# KiCad board keyboard.kicad_pcb (continued)
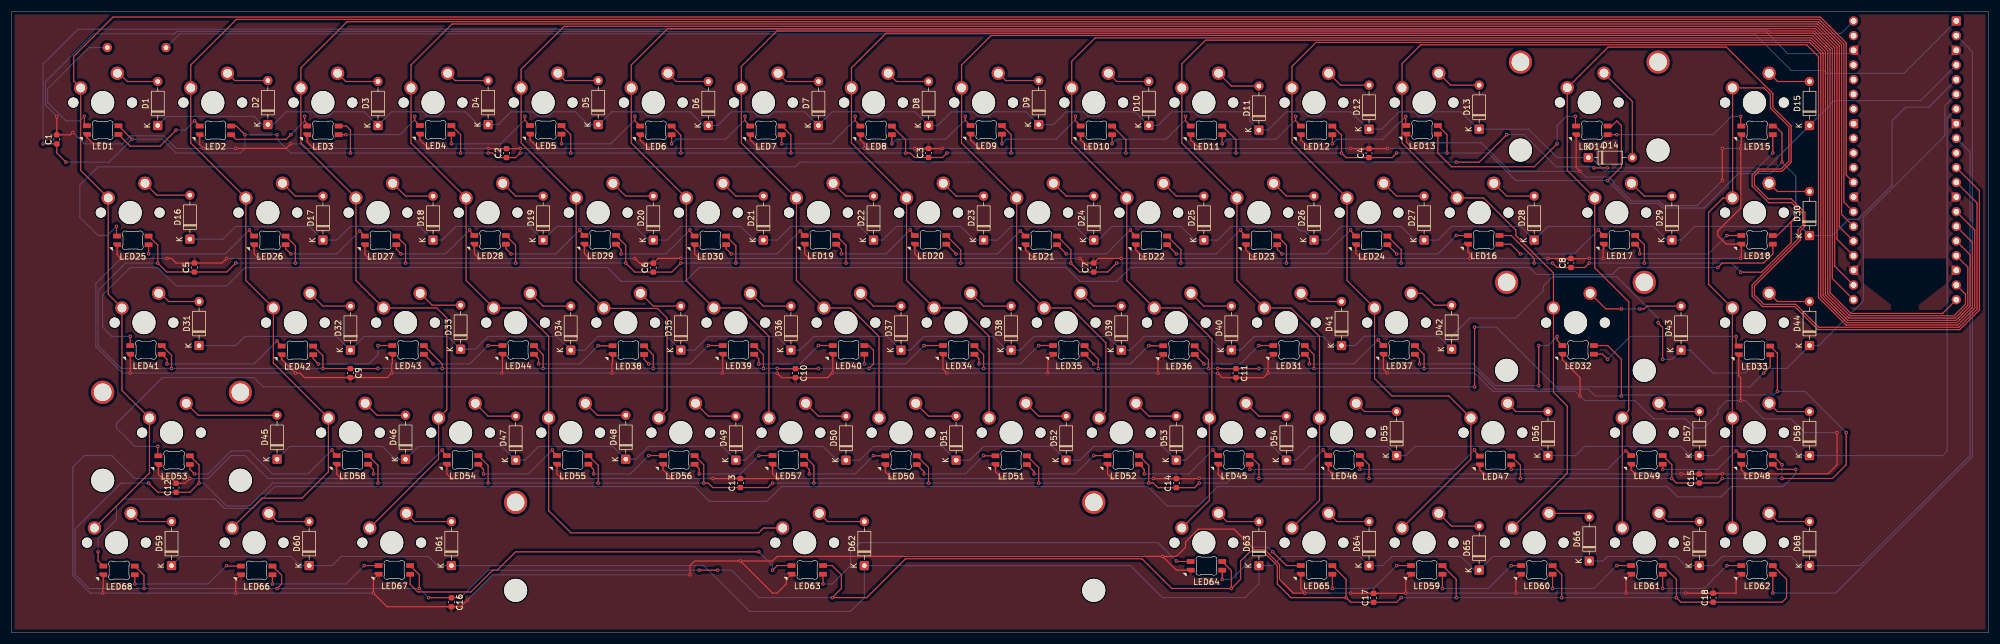
[diagram p0: board, top side]
## Routing (per net, layer and track width the routed paths; a pad name or vN(x,y) marks a point on that pad's centre or on a via; arc(x,y) is an arc through that point) (continued)
  Bottom w0.2: v1(266.57,63.96) v1(263.4,63.96) v1(240.38,63.96) v1(220.54,63.96) v1(202.28,63.96) v1(191.17,63.96) ; v1(119.74,25.86) v1(101.48,25.86) v1(82.44,25.86) v1(63.39,25.86) 45.13,25.86 41.16,21.89 37.19,21.89 33.23,25.86 v1(32.43,25.86) ; v1(196.73,25.86) v1(177.68,25.86) v1(158.63,25.86) v1(138.79,25.86) v1(131.64,25.86) ; v1(139.58,45.71) v1(148.31,45.71) v1(168.15,45.71) v1(188,45.71) v1(207.05,45.71) v1(208.63,45.71) ; v1(239.59,83.01) v1(248.32,83.01) 255.46,83.01 260.22,78.25 v1(276.1,78.25) 280.07,74.28 284.83,74.28 285.62,73.48 292.77,73.48 298.72,79.43 304.27,79.43 v1(306.26,81.42) 308.64,79.04 v1(308.64,71.9) ; 118.15,63.96 118.94,63.96 ; 118.15,63.96 v1(125.29,63.96) v1(144.34,63.96) v1(164.19,63.96) v1(183.23,63.96) ; 118.15,63.96 v1(115.77,63.96) ; v1(230.06,83.01) v1(211.81,83.01) v1(192.76,83.01) v1(172.92,83.01) v1(161.81,83.01) ; A1.40 316.48,103.71 304.45,103.71 303.72,104.45 11.48,104.45 5.45,98.41 v1(5.45,84.6) ; v1(25.29,63.96) 19.73,63.96 14.97,59.2 14.97,49.67 18.94,45.71 v1(27.67,45.71) v1(53.86,45.71) ; v1(77.67,6.02) 82.44,10.78 v1(118.95,10.78) ; v1(215.78,45.71) v1(225.3,45.71) v1(244.35,45.71) 253.08,45.71 256.65,42.14 272.75,42.14 273.94,40.94 v1(278.48,40.94) 278.66,41.12 304.85,41.12 v1(305.46,41.74) 310.23,41.74 v1(317.37,34.59) ; v1(306.26,29.04) v1(306.26,26.66) v1(295.94,26.66) ; v1(63.39,45.71) v1(74.5,45.71) v1(91.96,45.71) v1(111.01,45.71) v1(130.06,45.71) v1(132.44,45.71) ; v1(82.44,83.01) v1(77.67,83.01) v1(58.62,83.01) 48.31,83.01 45.92,85.39 v1(45.92,86.18) v1(40.37,86.18) 40.37,83.8 39.58,83.01 28.46,83.01 26.08,85.39 v1(20.83,85.39) 16.86,81.42 v1(9.41,81.42) ; v1(38.78,63.96) v1(49.1,63.96) v1(68.15,63.96) v1(87.2,63.96) v1(106.25,63.96) ; v1(272.92,63.96) v1(282.45,63.96) 297.53,63.96 v1(299.12,62.37) ; v1(23.7,25.86) 18.94,25.86 11,17.93 11,9.99 13.38,7.61 v1(22.91,7.61) v1(45.92,7.61) v1(70.53,7.61) v1(72.12,6.02) ; v1(122.12,10.78) 124.5,10.78 129.26,6.02 v1(141.96,6.02) ; v1(288,6.02) v1(268.16,6.02) v1(249.91,6.02) v1(240.38,6.02) ; v1(205.46,25.86) 210.22,25.86 211.01,26.66 v1(215.78,26.66) v1(234.83,26.66) v1(261.02,26.66) v1(287.21,26.66) ; v1(87.99,83.01) v1(96.72,83.01) v1(115.77,83.01) v1(134.82,83.01) v1(154.66,83.01)
/GND: length 2142.4
  Top w0.2: v1(205.46,26.66) 205.41,26.62 C14.2 197.56,26.62 v1(197.52,26.66) ; v1(91.17,83.8) 89.68,85.28 LED5.4 ; v1(299.12,64.75) 299.22,64.86 LED18.4 ; v1(238,44.91) 237.31,45.6 LED37.4 ; v1(289.59,6.81) 290.38,6.81 290.4,6.8 C18.2 298.3,6.8 298.32,6.81 298.32,9.18 LED62.4 ; LED38.4 103.97,46.6 103.86,46.5 v1(103.86,44.91) ; LED45.4 208.74,27.56 208.63,27.45 v1(209.43,26.66) ; LED13.4 241.28,84.86 242.34,83.8 v1(242.76,83.8) ; LED57.4 131.64,27.45 v1(132.44,26.66) 132.42,26.64 C13.2 121.34,26.64 v1(121.33,26.66) ; v1(107.83,64.75) 108.65,63.94 C6.2 111.83,64.76 v1(115.77,64.76) ; LED23.4 213.5,66.24 v1(214.98,64.75) ; v1(18.94,64.75) 18.25,65.44 LED25.4 ; v1(224.51,83.8) 223.03,85.28 LED12.4 ; LED10.4 184.93,85.28 v1(186.41,83.8) ; v1(191.97,64.75) 188,64.75 C7.2 185.62,63.96 v1(184.82,64.75) ; LED61.4 279.27,9.18 v1(279.27,6.81) ; v1(299.12,40.15) 299.12,44.12 298.77,44.46 LED33.4 ; LED44.4 84.92,45.02 v1(84.82,44.91) ; LED26.4 41.96,65.55 v1(42.75,64.75) ; LED30.4 118.15,65.55 v1(118.95,64.75) ; LED52.4 189.58,27.45 v1(190.38,26.66) ; v1(78.86,5.62) 77.69,4.45 C16.2 64.95,4.45 v1(62.59,6.81) 62.59,9.18 LED67.4 ; LED19.4 137.2,65.55 v1(137.99,64.75) ; LED22.4 194.45,66.24 v1(195.93,64.75) ; v1(15.76,6.81) 15.76,7.61 15.87,7.71 LED68.4 ; v1(7.8,89.33) 7.83,89.31 C1.2 10.17,86.15 v1(10.61,86.58) ; v1(199.11,13.16) 132.44,13.16 131.64,12.37 v1(126.09,12.37) ; v1(199.11,13.16) 201.49,13.16 203.08,14.75 203.08,15.68 205.28,17.89 211.45,17.89 214.98,14.36 216.74,14.36 219.35,11.74 219.35,9.19 221.73,6.81 v1(223.71,6.81) 223.03,7.5 LED65.4 ; v1(199.11,13.16) 201.49,10.78 LED64.4 ; v1(156.25,83.8) 157.04,83.8 157.06,83.78 C3.2 160.99,83.78 v1(161.01,83.8) ; v1(126.09,12.37) 131.64,6.81 132.44,6.81 134.03,8.4 134.03,9.18 LED63.4 ; v1(126.09,12.37) 118.15,12.37 117.36,11.58 v1(117.36,9.99) ; v1(14.97,84.6) 14.14,84.6 13.04,85.7 LED1.4 ; v1(57.04,26.66) 56.24,27.45 LED58.4 ; 147.52,84.6 146.83,85.28 LED8.4 ; 147.52,84.6 v1(147.52,83.8) ; 147.52,84.6 147.61,84.69 ; LED60.4 260.22,9.18 v1(260.22,6.81) ; v1(72.12,83.8) 70.64,85.28 LED4.4 ; v1(152.28,26.66) 151.14,27.79 LED50.4 ; v1(198.32,44.91) 198.32,47.23 LED36.4 ; LED14.4 270.65,80.52 v1(271.34,79.83) ; v1(48.31,84.6) 47.51,83.8 v1(38.78,83.8) ; v1(37.19,64.75) 36.4,63.96 C5.2 28.46,63.96 27.67,64.75 v1(26.88,64.75) ; v1(265.78,64.75) 265.8,64.74 C8.2 272.9,64.74 v1(272.92,64.76) ; v1(234.03,64.75) 233.45,64.75 232.55,65.65 LED24.4 ; v1(275.3,64.75) 275.3,66.34 275.41,66.45 LED17.4 ; v1(171.33,26.66) 170.19,27.79 LED51.4 ; v1(38.78,6.81) 38.78,9.09 LED66.4 ; v1(295.94,27.46) 295.92,27.43 C15.2 288.82,27.43 v1(288.8,27.45) ; LED6.4 108.73,85.28 v1(110.21,83.8) ; v1(132.44,44.91) 133.23,44.12 C10.2 141.17,44.12 v1(141.96,44.91) 142.07,45.02 LED40.4 ; LED11.4 203.98,85.28 v1(205.46,83.8) ; v1(315.78,34.59) 315.78,29.04 314.2,27.45 v1(299.91,27.45) 299.22,28.14 LED48.4 ; v1(33.23,83.8) 32.54,84.49 LED2.4 ; v1(61.8,64.75) 61.11,65.44 LED27.4 ; LED59.4 241.18,9.18 v1(241.18,6.81) 241.14,6.78 C17.2 231.69,6.78 v1(231.65,6.81) ; v1(122.91,44.91) 123.02,45.02 LED39.4 ; LED9.4 165.88,85.28 v1(167.36,83.8) ; LED3.4 51.14,84.94 52.27,83.8 v1(53.07,83.8) ; LED54.4 75.29,27.45 v1(76.09,26.66) ; v1(87.99,83.81) 87.95,83.77 85.61,83.77 82.48,83.77 v1(82.44,83.81) ; v1(254.67,27.45) 253.98,28.14 LED47.4 ; LED7.4 127.78,85.28 v1(129.26,83.8) ; v1(80.85,64.75) 80.05,65.55 LED28.4 ; v1(157.04,64.75) 156.25,65.55 LED20.4 ; LED21.4 175.4,66.24 v1(176.89,64.75) ; v1(30.84,26.66) 30.01,25.83 C12.2 27.63,26.66 v1(26.08,26.66) 25.39,27.34 LED53.4 ; LED31.4 217.36,47.27 v1(217.36,44.91) 216.57,44.12 C11.2 209.42,44.12 v1(208.63,44.91) ; v1(99.9,64.75) 99.1,65.55 LED29.4 ; LED16.4 251.94,65.89 252.29,65.55 v1(252.29,64.75) ; v1(114.18,26.66) 112.7,28.14 LED56.4 ; v1(271.34,40.94) 271.34,44.12 268.27,47.19 LED32.4 ; v1(20.53,44.91) LED41.4 ; v1(238,83.8) 237.96,83.77 C4.2 231.69,83.77 v1(231.65,83.8) ; v1(179.27,44.91) 179.27,47.27 LED35.4 ; LED55.4 94.34,27.45 v1(95.13,26.66) ; LED49.4 280.17,28.14 v1(280.86,27.45) ; LED34.4 161.12,45.6 v1(161.81,44.91) ; 299.13,67.14 LED18.4 ; LED18.4 296.65,67.22 295.15,68.72 295.15,69.52 299.15,73.52 299.15,83.05 299.12,83.08 v1(299.12,83.8) 299.12,84.38 299.22,84.49 LED15.4 ; LED46.4 227.79,28.13 v1(228.48,27.44) ; LED42.4 46.72,47.29 v1(49.1,44.91) 49.89,44.91 50.67,44.14 C9.2 64.99,44.14 v1(65.77,44.91) 65.77,46.5 65.87,46.6 LED43.4 ; v1(295.94,78.25) v1(295.94,83.8)
  Bottom w0.2: v1(184.82,64.75) v1(176.89,64.75) v1(157.04,64.75) v1(137.99,64.75) v1(118.95,64.75) 115.77,64.75 v1(115.77,64.76) ; v1(26.08,26.66) 21.32,26.66 17.35,30.62 12.59,30.62 10.6,28.64 10.6,9.82 13.61,6.81 v1(15.76,6.81) v1(38.78,6.81) v1(62.59,6.81) ; v1(241.18,6.81) v1(260.22,6.81) v1(279.27,6.81) v1(289.59,6.81) ; v1(299.91,27.45) 295.94,27.45 v1(295.94,27.46) ; v1(265.78,64.75) v1(252.29,64.75) v1(234.03,64.75) v1(214.98,64.75) v1(195.93,64.75) v1(191.97,64.75) ; v1(7.8,89.33) 7.8,89.38 5.85,91.34 5.85,95.31 14.18,103.65 28.22,103.65 28.62,104.05 303.48,104.05 307.31,100.21 318.06,100.21 A1.38 ; v1(49.1,44.91) v1(20.53,44.91) 19.17,44.91 14.57,49.51 14.57,60.39 v1(18.94,64.75) v1(26.88,64.75) ; v1(37.19,64.75) v1(42.75,64.75) v1(61.8,64.75) v1(80.85,64.75) v1(99.9,64.75) v1(107.83,64.75) ; v1(121.33,26.66) v1(114.18,26.66) v1(95.13,26.66) v1(76.09,26.66) v1(57.04,26.66) 44.34,26.66 40.37,30.62 37.99,30.62 34.02,26.66 v1(30.84,26.66) ; v1(38.78,83.8) v1(33.23,83.8) 28.46,83.8 26.28,85.99 20.58,85.99 19.18,84.6 v1(14.97,84.6) 12.59,84.6 v1(10.61,86.58) ; v1(315.78,34.59) 310.23,34.59 307.85,36.97 303.08,36.97 299.91,40.15 v1(299.12,40.15) 296.73,40.15 295.15,38.56 295.15,37.77 292.77,35.39 291.18,35.39 289.59,36.97 284.03,36.97 280.86,40.15 272.13,40.15 v1(271.34,40.94) 270.54,41.74 256.26,41.74 253.08,44.91 v1(238,44.91) v1(217.36,44.91) ; v1(205.46,26.66) 205.46,26.66 v1(209.43,26.66) 209.44,26.66 210.22,27.44 v1(228.48,27.44) 229.27,27.44 229.28,27.45 v1(254.67,27.45) v1(280.86,27.45) v1(288.8,27.45) ; v1(272.92,64.76) 272.92,64.75 v1(275.3,64.75) v1(299.12,64.75) ; v1(87.99,83.81) 87.99,83.8 v1(91.17,83.8) v1(110.21,83.8) v1(129.26,83.8) v1(147.52,83.8) v1(156.25,83.8) ; v1(82.44,83.81) 82.44,83.8 v1(72.12,83.8) v1(53.07,83.8) 50.69,83.8 49.89,84.6 v1(48.31,84.6) ; v1(295.94,78.25) 291.58,73.88 285.79,73.88 284.99,74.68 280.23,74.68 277.17,77.74 277.17,78.02 276.35,78.85 272.32,78.85 v1(271.34,79.83) 259.2,79.83 254.25,84.78 243.74,84.78 v1(242.76,83.8) v1(238,83.8) ; v1(65.77,44.91) v1(84.82,44.91) v1(103.86,44.91) v1(122.91,44.91) 132.44,44.91 v1(132.44,44.91) ; v1(161.01,83.8) v1(167.36,83.8) v1(186.41,83.8) v1(205.46,83.8) v1(224.51,83.8) v1(231.65,83.8) ; v1(295.94,83.8) v1(299.12,83.8) ; v1(78.86,5.62) 83.23,9.99 v1(117.36,9.99) ; v1(141.96,44.91) v1(161.81,44.91) v1(179.27,44.91) v1(198.32,44.91) 208.63,44.91 v1(208.63,44.91) ; v1(223.71,6.81) v1(231.65,6.81) ; v1(132.44,26.66) v1(152.28,26.66) v1(171.33,26.66) v1(190.38,26.66) v1(197.52,26.66)
(no net): length 333.9
  Top w0.2: 304.67,29.12 305.55,28.24 308.64,28.24 ; 14.97,13.96 14.97,12.39 15.87,11.49 ; 285.62,29.12 285.62,28.24 ; 298.31,31.44 298.41,31.44 299.22,30.62
  Bottom w0.2: 298.31,31.44 295.11,28.24 285.62,28.24 ; 14.97,13.96 14.97,16.34 18.15,19.51 18.15,21.89 19.34,23.08 35.21,23.08 36.8,21.49 41.73,21.49 45.5,25.26 118.15,25.26 120.73,22.69 130.66,22.69 133.23,25.26 196.53,25.26 199.9,21.89 205.26,21.89 208.63,25.26 286.42,25.26 288.2,23.48 295.75,23.48 297.53,25.26 306.45,25.26 308.64,27.45 308.64,28.24
/COL0: length 427
  Top w0.2: A1.29 317.37,79.2 317.37,102.06 312.88,106.55 17.55,106.55 10.75,99.75 10.75,95.48 SW1.1 11.95,79.99 SW16.1 16.72,58.56 SW31.1 19.1,41.9 SW45.1 23.86,27.61 SW59.1
/COL1: length 421.7
  Top w0.2: A1.27 316.97,74.52 316.97,101.89 312.71,106.15 38.9,106.15 31,98.25 SW2.1 31,84.76 SW17.1 40.53,60.94 SW32.1 45.29,46.66 SW46.1 54.81,27.81 50.25,23.25 43.31,23.25 SW60.1
/COL2: length 404.8
  Top w0.2: A1.26 316.57,72.38 316.57,101.73 312.55,105.75 58.05,105.75 50.05,97.75 SW3.1 50.05,84.76 SW18.1 59.58,60.94 SW33.1 73.55,56.18 75.29,54.44 75.29,38.56 SW47.1 73.86,29.99 SW61.1
/COL3: length 418.5
  Top w0.2: SW62.1 130.08,18.08 129.25,17.25 96.75,17.25 92.91,21.09 SW48.1 92.91,51.28 88,56.18 SW34.1 78.62,60.94 SW19.1 69.1,84.76 SW4.1 69.1,98.25 76.2,105.35 312.38,105.35 316.17,101.56 316.17,70.24 A1.25
/COL4: length 346.3
  Top w0.2: A1.24 315.77,68.1 315.77,101.4 312.22,104.95 95.6,104.95 88.15,97.5 SW5.1 88.15,84.76 SW20.1 97.67,60.94 SW35.1 102.52,56.1 111.73,56.1 113.39,54.44 113.39,38.56 SW49.1
/COL5: length 328.3
  Top w0.2: SW50.1 131.01,51.28 126.1,56.18 SW36.1 116.72,60.94 SW21.1 107.2,84.76 SW6.1 107.2,98.25 113.5,104.55 312.05,104.55 315.37,101.23 315.37,63.42 A1.22
/COL6: length 310.9
  Top w0.2: A1.21 314.97,61.28 314.97,101.06 311.88,104.15 132.4,104.15 126.25,98 SW7.1 126.25,84.76 SW22.1 135.77,60.94 SW37.1 145.12,56.18 150.06,51.24 SW51.1
/COL7: length 312.5
  Top w0.2: A1.20 334.04,55.23 318.16,55.23 314.57,58.82 314.57,100.9 311.72,103.75 151.3,103.75 145.3,97.75 SW8.1 145.3,84.76 SW23.1 154.82,60.94 SW38.1 164.2,56.18 169.11,51.28 SW52.1
/COL8: length 300
  Top w0.2: SW53.1 189.31,38.28 189.31,50.13 183.25,56.18 SW39.1 173.87,60.94 SW24.1 164.34,84.76 SW9.1 164.34,98.25 169.44,103.35 311.55,103.35 314.17,100.73 314.17,58.66 318,54.83 336.02,54.83 338.01,56.82 338.01,58.56 A1.19
/COL9: length 307.5
  Top w0.2: SW63.1 207.2,22.85 SW54.1 207.65,37.57 207.65,50.83 202.3,56.18 SW40.1 192.92,60.94 SW25.1 183.39,84.76 SW10.1 183.39,98.89 187.45,102.95 311.39,102.95 313.77,100.57 313.77,58.49 317.83,54.43 336.18,54.43 338.41,56.65 338.41,63.24 A1.17
/COL10: length 291
  Top w0.2: SW64.1 226.25,22.85 SW55.1 226.25,51.24 221.31,56.18 SW41.1 211.97,60.94 SW26.1 202.44,84.76 SW11.1 202.44,98.44 206.55,102.55 311.22,102.55 313.37,100.4 313.37,58.33 317.67,54.03 336.35,54.03 338.81,56.49 338.81,65.38 A1.16
/COL11: length 283.9
  Top w0.2: A1.15 339.21,67.52 339.21,56.32 336.52,53.63 317.5,53.63 312.97,58.16 312.97,100.24 311.06,102.15 225.65,102.15 221.49,97.99 SW12.1 221.49,84.76 SW27.1 231.02,60.94 SW42.1 235.78,43.96 238.79,40.94 248.64,40.94 SW56.1 252.45,29.99 SW65.1
/COL12: length 263.1
  Top w0.2: 259.59,18.07 269.11,27.6 269.11,39.2 266.73,41.58 266.73,62.21 260.22,68.72 260.22,69.66 254.65,75.23 SW28.1 240.54,84.76 SW13.1 240.54,98.5 243.79,101.75 310.53,101.75 312.57,99.71 312.57,57.99 317.34,53.23 336.68,53.23 339.61,56.15 339.61,69.66 A1.14
/COL13: length 238.9
  Top w0.2: A1.12 340.01,74.34 340.01,55.99 336.85,52.83 312.63,52.83 308.64,56.82 303.08,56.82 301.5,58.4 301.5,59.99 309.43,67.93 309.43,69.52 310.23,70.31 310.23,72.69 307.85,75.07 303.88,75.07 301.5,77.45 301.5,79.04 302.29,79.83 306.26,79.83 307.85,81.42 307.85,87.77 304.67,90.95 304.67,93.33 296.65,101.35 276.18,101.35 273.83,99 269.11,94.28 269.11,79.99 SW29.1 273.88,63.12 279.75,57.25 279.75,38.45 278.82,37.52 278.64,37.52 ; 278.64,37.12 278.64,18.07
/COL14: length 207.8
  Top w0.2: 297.72,56.16 297.7,56.14 ; 297.7,56.14 297.7,55.4 297.69,55.39 SW58.1 SW68.1 ; 297.7,56.14 293.56,60.28 293.56,72.73 296.06,75.23 SW30.1 ; A1.11 340.41,76.48 340.41,55.82 337.01,52.43 312.46,52.43 308.47,56.42 302.92,56.42 301.1,58.24 301.1,60.16 309.03,68.09 309.03,69.68 309.83,70.48 309.83,72.53 307.96,74.39 303.99,74.39 301.1,77.29 301.1,79.21 302.12,80.23 306.09,80.23 307.45,81.59 307.45,87.61 304.25,90.8 304.25,93.14 304.27,93.16 303.15,94.28 297.72,94.28 297.72,75.21
/LEDdata: length 342.7
  Top w0.2: LED1.3 12.59,88.18 v1(12.59,89.36)
  Bottom w0.2: R1.2 29.1,103.65 301.5,103.65 307.85,97.3 313.4,97.3 313.89,96.81 327.36,96.81 A1.1 ; R1.1 13.38,101.26 6.25,94.13 6.25,91.74 9.42,88.56 11.8,88.56 v1(12.59,89.36)
/LEDdataOut: length 121.6
  Top w0.2: 304.67,10.08 v1(304.67,6.81)
  Bottom w0.2: v1(304.67,6.81) 315.55,6.81 339.2,30.46 339.2,100.55 A1.2
/ROW0: length 354.3
  Bottom w0.2: A1.4 330.24,92.07 315.32,92.07 D15.1 303.08,79.83 275.67,79.83 273.28,82.22 D14.1 267.37,82.22 262.45,87.14 D13.1 253.72,87.14 250.7,90.15 246.08,90.15 245.32,89.4 243.38,89.4 242.62,90.15 240.06,90.15 237.05,87.14 D12.1 234.67,87.14 231.65,90.15 227.03,90.15 226.27,89.4 224.33,89.4 223.57,90.15 220.54,90.15 217.36,86.98 D11.1 214.19,88.56 214.19,90.15 207.98,90.15 207.22,89.4 205.28,89.4 204.52,90.15 200.7,90.15 198.32,87.77 D10.1 194.35,90.15 188.93,90.15 188.17,89.4 186.23,89.4 185.48,90.15 182.44,90.15 180.22,87.93 D9.1 175.46,90.15 169.88,90.15 169.13,89.4 167.18,89.4 166.43,90.15 162.6,90.15 160.22,87.77 D8.1 156.25,90.15 150.83,90.15 150.08,89.4 148.13,89.4 147.38,90.15 141.96,90.15 D7.1 137.2,90.15 131.78,90.15 131.03,89.4 129.09,89.4 128.33,90.15 124.5,90.15 122.12,87.77 D6.1 119.74,87.77 117.36,90.15 112.74,90.15 111.98,89.4 110.04,89.4 109.28,90.15 103.86,90.15 101.64,87.93 D5.1 99.74,87.93 97.52,90.15 93.69,90.15 92.93,89.4 90.99,89.4 90.23,90.15 86.4,90.15 84.18,87.93 D4.1 80.69,87.93 78.47,90.15 74.64,90.15 73.88,89.4 71.94,89.4 71.18,90.15 65.77,90.15 D3.1 61.01,90.15 55.59,90.15 54.83,89.4 52.89,89.4 52.13,90.15 47.51,90.15 45.29,87.93 D2.1 43.39,87.93 41.96,89.36 26.88,89.36 D1.1 ; 272.22,82.22 272.75,82.75
/ROW1: length 350.5
  Bottom w0.2: A1.5 331.65,90.95 327.69,90.95 325.31,88.56 325.31,77.45 319.4,71.55 317.82,71.55 314.99,68.72 D30.1 309.43,70.31 291.18,70.31 288.8,67.93 D29.1 286.42,67.93 284.03,70.31 265.78,70.31 D28.1 261.02,70.31 249.11,70.31 246.73,67.93 D27.1 242.76,67.93 240.38,70.31 230.06,70.31 227.68,67.93 D26.1 223.71,69.52 222.92,69.52 222.13,70.31 211.01,70.31 208.63,67.93 D25.1 204.66,67.93 202.28,70.31 190.38,70.31 188,67.93 D24.1 186.41,67.93 184.03,70.31 172.92,70.31 170.54,67.93 D23.1 166.57,67.93 164.19,70.31 153.07,70.31 150.69,67.93 D22.1 146.72,70.31 134.82,70.31 132.44,67.93 D21.1 128.47,67.93 126.09,70.31 115.77,70.31 113.39,67.93 D20.1 110.21,67.93 107.83,70.31 94.34,70.31 D19.1 89.58,70.31 76.88,70.31 74.5,67.93 D18.1 70.53,70.31 58.62,70.31 56.24,67.93 D17.1 51.48,70.31 38.78,70.31 36.56,68.09 D16.1
/ROW2: length 375
  Top w0.2: v1(285.62,47.29) 285.62,52.85 v1(284.83,53.64)
  Bottom w0.2: v1(284.83,53.64) 284.83,54.44 277.69,61.58 266.57,61.58 264.99,59.99 264.99,59.2 260.22,54.44 252.29,54.44 249.11,51.26 D42.1 246.85,51.3 234.07,51.3 232.44,49.67 D41.1 228.48,49.67 226.89,51.26 214.98,51.26 212.6,48.88 D40.1 209.43,48.88 207.05,51.26 195.93,51.26 193.55,48.88 D39.1 189.58,51.26 176.89,51.26 174.5,48.88 D38.1 172.12,48.88 169.74,51.26 157.84,51.26 155.46,48.88 D37.1 151.49,51.26 138.79,51.26 136.41,48.88 D36.1 132.44,51.26 120.53,51.26 118.15,48.88 D35.1 113.39,51.26 101.48,51.26 99.1,48.88 D34.1 94.34,51.26 82.44,51.26 80.21,49.04 D33.1 75.45,51.26 61.01,51.26 D32.1 56.24,51.26 40.37,51.26 38.78,49.67 D31.1 ; v1(285.62,47.29) 287.21,47.29 D43.1 290.38,48.88 294.35,44.91 299.91,44.91 300.7,45.71 307.05,45.71 D44.1 312.61,49.67 320.33,57.39 320.33,71.91 334.43,86.01 334.43,91.18 A1.6
/ROW3: length 372.1
  Bottom w0.2: A1.7 334.83,89.04 334.83,31.42 334.04,30.62 D58.1 309.43,30.62 307.85,32.21 295.94,32.21 294.35,30.62 D57.1 290.38,30.62 288.8,32.21 272.13,32.21 270.54,30.62 D56.1 264.19,32.21 242.76,32.21 241.18,30.62 D55.1 238,32.21 224.51,32.21 222.13,29.83 D54.1 218.16,32.21 205.46,32.21 203.08,29.83 D53.1 199.11,32.21 187.2,32.21 184.82,29.83 D52.1 180.06,32.21 168.15,32.21 165.77,29.83 D51.1 161.01,32.21 149.11,32.21 146.72,29.83 D50.1 142.76,29.83 140.38,32.21 129.26,32.21 126.88,29.83 D49.1 122.91,32.21 110.21,32.21 107.99,29.99 D48.1 104.02,32.21 91.17,32.21 88.78,29.83 D47.1 84.82,32.21 70.37,32.21 D46.1 66.4,29.99 64.18,32.21 48.15,32.21 D45.1
/ROW4: length 400.4
  Bottom w0.2: D59.1 29.26,13.16 48.31,13.16 49.89,11.58 D60.1 55.45,11.58 57.04,13.16 72.12,13.16 73.7,11.58 D61.1 119.74,11.58 127.68,3.64 145.14,3.64 147.52,6.02 D62.1 193.55,11.58 199.11,6.02 213.4,6.02 215.78,8.4 D63.1 218.16,11.58 219.75,13.16 233.24,13.16 D64.1 237.21,11.58 238.79,13.16 250.7,13.16 253.08,10.78 D65.1 256.26,13.16 272.22,13.16 273.01,12.37 275.3,12.37 276.1,13.16 288,13.16 289.59,11.58 D67.1 294.35,11.58 295.94,13.16 307.85,13.16 309.43,11.58 D68.1 319.75,11.58 338.8,30.62 338.8,83.17 A1.9
Net-(D1-A): length 8
  Top w0.2: 18.15,96.5 18.3,96.66 SW1.2 18.62,96.82 20.05,95.39 D1.2
Net-(D2-A): length 7.5
  Top w0.2: SW2.2 38.62,95.55 D2.2
Net-(D3-A): length 7.6
  Top w0.2: D3.2 57.83,95.39 SW3.2
Net-(D4-A): length 7.5
  Top w0.2: SW4.2 76.72,95.55 D4.2
Net-(D5-A): length 7.5
  Top w0.2: D5.2 95.77,95.55 SW5.2
Net-(D6-A): length 7.6
  Top w0.2: D6.2 114.98,95.39 SW6.2
Net-(D7-A): length 7.6
  Top w0.2: SW7.2 134.03,95.39 D7.2
Net-(D8-A): length 7.6
  Top w0.2: D8.2 153.07,95.39 SW8.2
Net-(D9-A): length 7.5
  Top w0.2: D9.2 171.96,95.55 SW9.2
Net-(D10-A): length 7.6
  Top w0.2: D10.2 191.17,95.39 SW10.2
Net-(D11-A): length 7.9
  Top w0.2: SW11.2 211.01,94.6 D11.2
Net-(D12-A): length 7.8
  Top w0.2: 227.84,96.82 229.9,94.76 D12.2
Net-(D13-A): length 7.8
  Top w0.2: D13.2 248.95,94.76 SW13.2
Net-(D14-A): length 16.1
  Top w0.2: 275.46,96.82 280.37,91.91 280.37,82.75
Net-(D15-A): length 7.5
  Top w0.2: D15.2 305.5,95.39 304.07,96.82
Net-(D16-A): length 8.6
  Top w0.2: D16.2 25.13,75.71 SW16.2
Net-(D17-A): length 7.9
  Top w0.2: SW17.2 49.1,75.55 D17.2
Net-(D18-A): length 7.9
  Top w0.2: SW18.2 68.15,75.55 D18.2
Net-(D19-A): length 7.9
  Top w0.2: D19.2 87.2,75.55 SW19.2
Net-(D20-A): length 7.9
  Top w0.2: D20.2 106.25,75.55 SW20.2
Net-(D21-A): length 7.9
  Top w0.2: D21.2 125.29,75.55 SW21.2
Net-(D22-A): length 7.9
  Top w0.2: SW22.2 144.34,75.55 D22.2
Net-(D23-A): length 7.9
  Top w0.2: D23.2 163.39,75.55 SW23.2
Net-(D24-A): length 7.9
  Top w0.2: D24.2 182.44,75.55 SW24.2
Net-(D25-A): length 7.9
  Top w0.2: D25.2 201.49,75.55 SW25.2
Net-(D26-A): length 7.9
  Top w0.2: SW26.2 220.54,75.55 D26.2
Net-(D27-A): length 7.9
  Top w0.2: SW27.2 239.59,75.55 D27.2
Net-(D28-A): length 7.9
  Top w0.2: SW28.2 258.64,75.55 D28.2
Net-(D29-A): length 7.9
  Top w0.2: SW29.2 282.45,75.55 D29.2
Net-(D30-A): length 7.5
  Top w0.2: D30.2 305.48,76.34 304.07,77.75
Net-(D31-A): length 8
  Top w0.2: 25.29,58.4 25.45,58.56 SW31.2 25.76,58.72 27.19,57.29 D31.2
Net-(D32-A): length 7.9
  Top w0.2: SW32.2 53.86,56.5 D32.2
Net-(D33-A): length 7.8
  Top w0.2: D33.2 72.75,56.66 SW33.2
Net-(D34-A): length 7.9
  Top w0.2: D34.2 91.96,56.5 SW34.2
Net-(D35-A): length 7.9
  Top w0.2: D35.2 111.01,56.5 SW35.2
Net-(D36-A): length 7.9
  Top w0.2: SW36.2 130.06,56.5 D36.2
Net-(D37-A): length 7.9
  Top w0.2: SW37.2 149.11,56.5 D37.2
Net-(D38-A): length 7.9
  Top w0.2: D38.2 168.15,56.5 SW38.2
Net-(D39-A): length 7.9
  Top w0.2: D39.2 187.2,56.5 SW39.2
Net-(D40-A): length 7.9
  Top w0.2: D40.2 206.25,56.5 SW40.2
Net-(D41-A): length 7.6
  Top w0.2: D41.2 224.51,57.29 SW41.2
Net-(D42-A): length 7.8
  Top w0.2: SW42.2 244.03,58.72 246.1,56.66 D42.2
Net-(D43-A): length 17.6
  Top w0.2: v1(281.65,56.02) 282.45,56.02 282.92,56.5 D43.2 ; v1(278.48,56.02) 275.78,56.02 273.08,58.72 273.08,59.04 272.92,59.2
  Bottom w0.2: v1(278.48,56.02) v1(281.65,56.02)
Net-(D44-A): length 7.6
  Top w0.2: D44.2 305.46,57.29 SW44.2
Net-(D45-A): length 16.6
  Top w0.2: D45.2 32.27,37.61 SW45.2
Net-(D46-A): length 7.8
  Top w0.2: D46.2 63.23,37.61 SW46.2
Net-(D47-A): length 7.9
  Top w0.2: D47.2 82.44,37.45 SW47.2
Net-(D48-A): length 7.8
  Top w0.2: D48.2 101.33,37.61 SW48.2
Net-(D49-A): length 7.9
  Top w0.2: D49.2 120.53,37.45 SW49.2
Net-(D50-A): length 7.9
  Top w0.2: D50.2 139.58,37.45 SW50.2
Net-(D51-A): length 7.9
  Top w0.2: D51.2 158.63,37.45 SW51.2
Net-(D52-A): length 7.9
  Top w0.2: SW52.2 177.68,37.45 D52.2
Net-(D53-A): length 7.9
  Top w0.2: D53.2 196.73,37.45 SW53.2
Net-(D54-A): length 8.3
  Top w0.2: 213.4,39.36 213.55,39.51 SW54.2 215.78,37.45 D54.2
Net-(D55-A): length 7.6
  Top w0.2: D55.2 234.03,38.24 SW55.2
Net-(D56-A): length 7.6
  Top w0.2: D56.2 260.22,38.24 SW56.2
Net-(D57-A): length 7.6
  Top w0.2: 285,39.66 286.42,38.24 D57.2
Net-(D58-A): length 7.6
  Top w0.2: D58.2 305.46,38.24 304.05,39.66
Net-(D59-A): length 7.6
  Top w0.2: SW59.2 22.11,19.2 D59.2
Net-(D60-A): length 7.6
  Top w0.2: SW60.2 45.92,19.2 D60.2
Net-(D61-A): length 8.4
  Top w0.2: D61.2 69.74,19.2 SW61.2
Net-(D62-A): length 8.4
  Top w0.2: D62.2 141.17,19.2 SW62.2
Net-(D63-A): length 7.6
  Top w0.2: SW63.2 210.22,19.2 D63.2
Net-(D64-A): length 7.6
  Top w0.2: 227.84,20.62 229.27,19.2 D64.2
Net-(D65-A): length 7.9
  Top w0.2: SW65.2 249.11,18.4 D65.2
Net-(D66-A): length 7.3
  Top w0.2: 273.01,19.99 272.39,20.61 265.94,20.61
Net-(D67-A): length 7.6
  Top w0.2: 284.99,20.61 286.4,19.2 D67.2
Net-(D68-A): length 7.6
  Top w0.2: 304.05,20.62 305.48,19.2 D68.2
Net-(LED1-DOUT): length 17.1
  Top w0.2: LED1.2 20.53,84.19 25.68,84.19 v1(28.46,86.98) ; v1(31.64,88.56) 31.66,88.56 LED2.3
  Bottom w0.2: v1(28.46,86.98) 30.05,86.98 v1(31.64,88.56)
Net-(LED2-DOUT): length 17
  Top w0.2: v1(48.31,86.18) 47.51,85.39 38.78,85.39 LED2.2 ; v1(50.69,89.36) 50.69,88.56 51.14,88.12 LED3.3
  Bottom w0.2: v1(48.31,86.18) 50.69,88.56 v1(50.69,89.36)
Net-(LED3-DOUT): length 16.8
  Top w0.2: LED4.3 69.74,88.67 v1(69.74,89.36) ; LED3.2 v1(57.83,86.18)
  Bottom w0.2: v1(57.83,86.18) 67.16,86.18 69.74,88.76 v1(69.74,89.36)
Net-(LED4-DOUT): length 18.7
  Top w0.2: LED4.2 v1(76.09,84.6) ; LED5.3 88.78,88.67 v1(88.78,89.36)
  Bottom w0.2: v1(76.09,84.6) 84.62,84.6 88.78,88.76 v1(88.78,89.36)
